# Altium PCB Brake Module B1 Sample.PcbDoc (part 2 of 2)
Units mm, origin at the board's own origin, x right, y up, seen from the top; angles counter-clockwise.
Board outline 87.88 x 86.36 mm, 4 copper layers (Top Layer, Int1 (GND), Int2 (PWR), Bottom Layer), stack 1.369 mm thick; 137 components, 101 nets, 510 pads, 360 vias.
Unrouted connection lines stored in the file: 15.
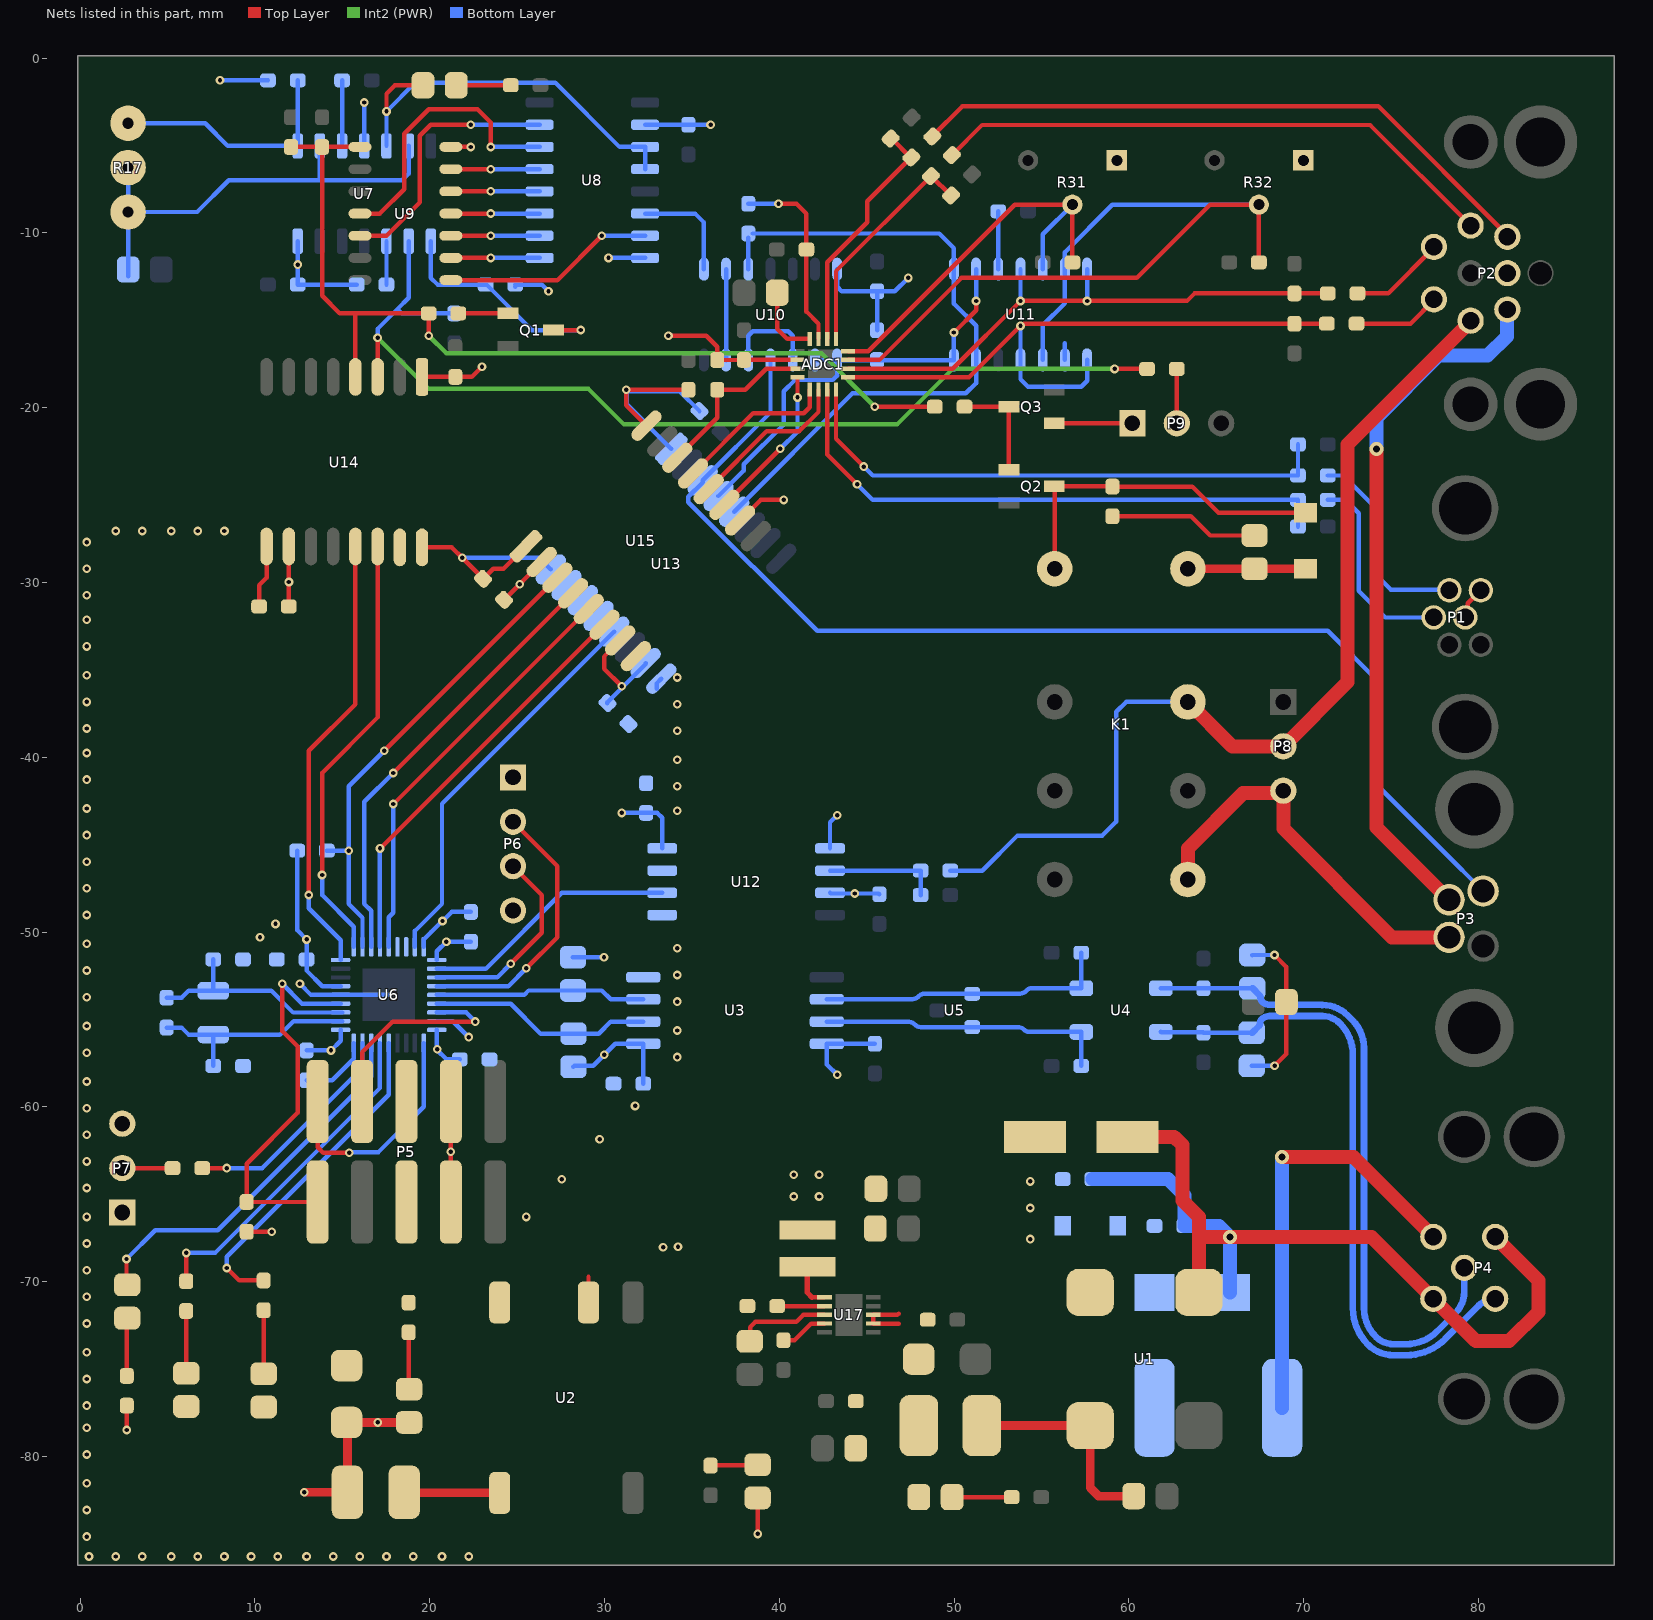
[diagram p4: the nets of this part, all layers, seen from the top]

## Via types
v1: diameter 0.5, hole 0.25, Top Layer to Bottom Layer, 357 vias
v2: diameter 0.8, hole 0.4, Top Layer to Bottom Layer, 3 vias

## Nets (pads, with @x,y where several pads share a name; then routed paths per layer and width w, separated by ;. In a path a pad name is that pad's centre, name@x,y a point inside that pad or via, vN(x,y) a via of type N, cw(c..) or ccw(c..) an arc to the next point about the centre after c; other vN are vias at no path point) (continued)
0V_(ISO): C14.1 C16.1 C22.1 C23.1 C24.1 C25.1 C26.1 C27.1 C47.1 C48.1 C50.1 C53.1 D7.K D8.K P5.5 P5.6 P6.1 P7.3 R3.1 U2.4 U3.4 U6.5 U6.18 U6.26 U6.36 U12.5 U12.7 U13.9 U13.15 U14.9 U14.15 U15.2 U15.8 | length 22.8
  Top Layer w0.254: C48.1@10.238,-31.369 10.238,-30.148 10.668,-29.718 U14.9@10.668,-27.94 ; C53.1@24.257,-30.988 24.257,-30.979 26.404,-28.832 U15.2@26.404,-28.823
  Bottom Layer w0.254: v1(12.573,-52.959) 13.208,-53.594 U6.5@14.903,-53.594 17.653,-53.594 ; C23.1@12.954,-58.469 14.429,-58.469 15.653,-57.245 U6.36@15.653,-56.344 ; U6.18@19.653,-50.844 19.653,-50.423 20.052,-50.024 ; 20.07,-50.006 20.711,-49.365 v1(20.733,-49.365) ; U6.26@20.403,-55.094 21.312,-55.094 v1(22.225,-56.007) ; v1@20.701,-49.403 21.258,-48.846 C22.1@22.352,-48.846 ; U13.9@32.977,-36.074 32.977,-35.775 U13.9@33.25,-35.503
  other v1: 0.508,-85.725 2.032,-85.725 3.556,-85.725 5.207,-85.725 6.731,-85.725 8.255,-85.725 9.779,-85.725 11.303,-85.725 12.954,-85.725 14.478,-85.725 16.002,-85.725 17.526,-85.725 19.05,-85.725 20.701,-85.725 22.225,-85.725 0.381,-84.582 0.381,-83.058 0.381,-81.534 0.381,-79.883 0.381,-78.359 0.381,-77.089 0.381,-75.565 0.381,-74.041 0.381,-72.39 0.381,-70.866 0.381,-69.342 0.381,-67.818 0.381,-66.294 25.527,-66.294 0.381,-64.643 27.559,-64.135 0.381,-63.119 29.718,-61.849 0.381,-61.595 0.381,-60.071 31.75,-59.944 0.381,-58.547 34.163,-57.15 0.381,-56.896 34.163,-55.626 0.381,-55.372 34.163,-53.975 0.381,-53.721 34.163,-52.451 0.381,-52.197 34.163,-50.927 0.381,-50.673 10.287,-50.292 11.176,-49.53 0.381,-49.022 0.381,-47.498 0.381,-45.974 0.381,-44.45 34.163,-43.053 0.381,-42.926 34.163,-41.656 0.381,-41.275 34.163,-40.132 0.381,-39.751 34.163,-38.481 0.381,-38.354 34.163,-36.957 0.381,-36.83 34.163,-35.433 0.381,-35.306 0.381,-33.655 0.381,-32.131 0.381,-30.734 25.15,-30.095 0.381,-29.21 0.381,-27.686 2.032,-27.051 3.556,-27.051 5.207,-27.051 6.731,-27.051 8.255,-27.051
3V3: C14.2 C16.2 C22.2 C23.2 C24.2 C25.2 C47.2 C48.2 C50.2 C53.2 D5.A L2.1 P5.7 P5.8 P6.4 P7.1 R6.2 R9.2 R10.2 R11.2 R38.2 U3.1 U6.1 U6.6 U6.19 U6.27 U12.8 U13.10 U13.16 U14.10 U14.16 U15.1 U15.7 | length 71.8
  Top Layer w0.254: v1(2.667,-78.486) R6.2@2.667,-77.089 ; R11.2@9.525,-67.14 v1(10.965,-67.14) ; C48.2@11.938,-31.369 U14.10@11.938,-27.939 ; C14.2@15.242,-78.051 C14.2@15.24,-78.053 C14.2@15.292,-78.105 ; U14.16@19.558,-27.99 21.259,-27.99 v1(21.856,-28.587) C53.2@23.055,-29.786 23.631,-29.21 24.221,-29.21 U15.1@25.506,-27.925 ; P5.7@21.209,-65.44 v1(21.209,-62.565) P5.8@21.209,-59.69 ; U15.7@30.895,-33.313 29.972,-34.235 29.972,-34.925 v1(30.988,-35.941)
  Top Layer w0.5: v1(12.827,-82.042) L2.1@15.292,-82.042 C14.2@15.292,-78.105 ; C14.2@15.242,-78.051 v1(17.032,-78.051) D5.A@18.822,-78.051
  Bottom Layer w0.254: R38.2@12.417,-45.339 12.417,-49.882 v1(12.954,-50.419) 12.954,-52.197 13.851,-53.094 U6.6@14.903,-53.094 ; C23.2@12.954,-56.769 v1(14.351,-56.769) 14.903,-56.217 U6.1@14.903,-55.594 ; U6.27@20.403,-55.594 20.403,-56.725 20.955,-57.277 C25.2@21.717,-57.277 ; U6.19@20.403,-51.594 20.403,-51.098 v1(20.955,-50.546) C22.2@22.352,-50.546 ; v1(21.856,-28.587) 26.263,-28.587 U13.16@26.928,-29.252 ; R9.2@28.191,-51.438 R9.2@28.194,-51.44 v1(29.967,-51.44) ; R10.2@28.22,-57.707 28.283,-57.644 29.351,-57.644 v1(29.979,-57.016) 30.607,-56.388 U3.1@32.215,-56.388 C16.2@32.215,-58.674 ; C50.2@30.167,-36.898 30.167,-36.844 32.352,-34.658 U13.10@32.352,-34.604 ; v1(30.988,-43.18) C47.2@32.385,-43.18 33.02,-43.18 33.3,-43.46 U12.8@33.3,-45.212
  other v1: 20.427,-56.701 11.942,-29.968
5kW: P3.3 U10.4 U14.3 | length 68.3
  Bottom Layer w0.254: U10.4@39.497,-17.272 39.497,-20.275 35.621,-24.151 35.621,-24.275 34.798,-25.098 34.798,-25.4 42.164,-32.766 71.374,-32.766 74.295,-35.687 74.295,-41.681 77.954,-45.34 P3.3@80.264,-47.65
5V: ADC1.7 ADC1.10 C10.2 C12.2 C13.2 C15.2 C28.2 C36.2 C37.2 C40.2 C41.2 C42.2 C46.2 C49.2 C51.2 C52.2 D4.A D10.A D11.K K1.16 L3.1 P1.1 P1.2 P2.5 R15.2 R18.2 R19.2 R27.2 R28.2 R29.2 R31.1 R32.1 U2.2 U3.8 U7.4 U7.14 U8.10 U8.16 U9.7 U10.14 U11.3 U12.1 U12.3 U13.1 U14.1 U15.10 U15.16 U17.4 | length 97
  Top Layer w0.254: U14.1@19.558,-18.237 C49.2@21.463,-18.237 22.403,-18.237 v1(22.987,-17.653) ; U9.7@21.209,-5.08 v1(22.352,-5.08) ; U2.2@29.083,-71.181 29.083,-69.723 ; U15.16@32.403,-21.028 31.242,-19.866 v1(31.242,-18.972) C52.2@34.798,-18.972 ; v1(33.655,-15.875) 35.814,-15.875 36.449,-16.51 R27.2@36.449,-17.272 36.453,-17.268 37.974,-17.268 C36.2@37.978,-17.264 ADC1.10@41.042,-17.264 ; U15.10@37.755,-26.452 38.934,-25.273 v1(40.259,-25.273) ; v1(38.761,-84.429) D4.A@38.761,-82.369 ; v1(39.956,-8.333) 40.983,-8.333 41.55,-8.9 C37.2@41.55,-10.95 41.55,-14.5 42.242,-15.192 ADC1.7@42.242,-16.064 ; C10.2@40.237,-73.351 40.24,-73.348 40.869,-73.348 41.82,-72.397 42.578,-72.397 U17.4@42.58,-72.395 ; P1.1@79.237,-32 79.387,-31.85 79.387,-31.19 P1.2@80.137,-30.44
  Top Layer w0.5: K1.16@63.373,-29.21 D10.A@67.183,-29.21 D11.K@70.104,-29.21
  Bottom Layer w0.254: v1(8.001,-1.27) R15.2@10.746,-1.27 ; U7.14@12.446,-10.472 v1(12.446,-11.811) C28.2@12.446,-12.954 R18.2@15.826,-12.954 ; U7.4@16.256,-5.022 v1(16.256,-2.54) ; R19.2@24.882,-13.081 R19.2@24.892,-13.081 ; R19.2@24.892,-12.954 26.416,-12.954 v1(26.797,-13.335) ; v1(30.226,-11.43) U8.16@32.319,-11.43 ; U8.10@32.319,-3.81 C40.2@34.798,-3.81 v1(36.068,-3.81) ; U13.1@33.825,-22.355 31.278,-19.808 31.278,-19.086 31.242,-19.05 34.29,-19.05 C51.2@35.433,-20.193 ; R29.2@38.227,-8.333 v1(39.956,-8.333) ; U12.3@42.9,-47.752 42.939,-47.791 v1(44.31,-47.791) 45.681,-47.791 C46.2@45.72,-47.83 ; U12.1@42.9,-45.212 42.9,-43.714 v1(43.307,-43.307) ; v1(43.307,-58.166) 42.715,-57.574 U3.8@42.715,-56.388 C15.2@45.466,-56.388 ; U10.14@43.307,-12.072 43.307,-13.081 43.561,-13.335 C42.2@45.593,-13.335 ; R28.2@45.593,-15.572 C42.2@45.593,-13.335 ; v1(47.371,-12.573) 46.609,-13.335 C42.2@45.593,-13.335 ; U11.3@52.529,-12.065 C41.2@52.529,-8.763
  other v1: 33.35,-68.025 34.2,-68 40.825,-65.125 42.275,-65.125 40.825,-63.875 42.275,-63.875
"APPS 1": P1.3 R25.1 | length 11.9
  Bottom Layer w0.254: R25.1@71.374,-23.876 72.263,-23.876 74.168,-25.781 74.168,-29.591 74.992,-30.415 78.312,-30.415 P1.3@78.337,-30.44
"APPS 2": P1.4 R26.1 | length 11.5
  Bottom Layer w0.254: R26.1@71.374,-25.273 72.39,-25.273 73.152,-26.035 73.152,-30.48 74.672,-32 P1.4@77.437,-32
APPS_1: ADC1.16 C35.2 R25.2 | length 31.9
  Top Layer w0.254: ADC1.16@43.242,-18.964 43.242,-21.779 v1(44.831,-23.368)
  Bottom Layer w0.254: v1(44.831,-23.368) 45.339,-23.876 R25.2@69.674,-23.876 C35.2@69.674,-22.098
APPS_2: ADC1.15 C38.2 R26.2 | length 33.2
  Top Layer w0.254: ADC1.15@42.742,-18.964 42.742,-22.676 v1(44.45,-24.384)
  Bottom Layer w0.254: v1(44.45,-24.384) 45.339,-25.273 R26.2@69.674,-25.273 C38.2@69.674,-26.797
BOOT0: P7.2 R12.1 | length 2.9
  Top Layer w0.254: P7.2@2.413,-63.5 R12.1@5.285,-63.5
BOTS: K1.13 P2.7 P8.2 R36.2 | length 56.5
  Top Layer w0.8: K1.13@63.373,-36.83 65.913,-39.37 P8.2@68.834,-39.37 72.517,-35.687 72.517,-22.095 P2.7@79.566,-15.046
  Bottom Layer w0.254: R36.2@49.784,-46.482 51.618,-46.482 53.625,-44.475 58.475,-44.475 59.275,-43.675 59.275,-37.4 59.845,-36.83 K1.13@63.373,-36.83
BPPS_1: P2.3 R16.1 | length 32.8
  Top Layer w0.254: R16.1@49.877,-5.548 51.6,-3.825 73.795,-3.825 P2.3@79.55,-9.58
BPPS_1_F: ADC1.5 C30.2 R16.2 | length 13.2
  Top Layer w0.254: ADC1.5@43.242,-16.064 43.242,-12.183 R16.2@48.675,-6.75 48.698,-6.75 49.8,-7.852 C30.2@49.823,-7.852
BPPS_2: P2.4 R22.1 | length 36.8
  Top Layer w0.254: R22.1@48.752,-4.473 50.475,-2.75 74.275,-2.75 81.65,-10.125 P2.4@81.65,-10.22
BPPS_2_F: ADC1.6 C34.2 R22.2 | length 14
  Top Layer w0.254: ADC1.6@42.742,-16.064 42.742,-11.683 45.034,-9.391 45.034,-8.191 R22.2@47.55,-5.675 47.498,-5.675 46.425,-4.602 C34.2@46.373,-4.602
"BPSD LATCH": R21.2 R35.1 U7.9 U13.3 | length 59.2
  Top Layer w0.254: 17.018,-18.237 v1(17.018,-16.002) ; v1(59.182,-17.78) R35.1@61.038,-17.78
  Int2 (PWR) w0.254: v1(17.018,-16.002) 19.939,-18.923 29.083,-18.923 31.115,-20.955 46.736,-20.955 49.911,-17.78 v1(59.182,-17.78)
  Bottom Layer w0.254: v1(17.018,-16.002) 17.018,-15.494 18.161,-14.351 ; U7.9@18.796,-10.472 18.796,-13.716 18.161,-14.351 ; R21.2@21.414,-14.605 18.415,-14.605 18.161,-14.351
"BRAKE SIG 1": P2.2 R14.1 | length 5.5
  Top Layer w0.254: R14.1@73.074,-13.462 74.838,-13.462 P2.2@77.475,-10.825
"BRAKE SIG 2": P2.1 R20.1 | length 5
  Top Layer w0.254: R20.1@73.025,-15.191 76.109,-15.191 P2.1@77.475,-13.825
"Brake Signal 1": ADC1.2 C29.2 R14.2 U11.4 U11.7 | length 32.9
  Top Layer w0.254: ADC1.2@43.942,-17.764 49.927,-17.764 v1(53.799,-13.892) v1(57.609,-13.892) 63.324,-13.892 63.754,-13.462 C29.2@69.469,-13.462 R14.2@71.374,-13.462
  Bottom Layer w0.254: v1(53.799,-13.892) U11.4@53.799,-12.065 ; v1(57.609,-13.892) U11.7@57.609,-12.065
"Brake Signal 2": ADC1.1 C33.2 R20.2 U11.8 U11.11 | length 37
  Top Layer w0.254: ADC1.1@43.942,-18.264 50.853,-18.264 v1(53.799,-15.318) 53.866,-15.318 53.993,-15.191 C33.2@69.469,-15.191 R20.2@71.325,-15.191
  Bottom Layer w0.254: v1(53.799,-15.318) U11.11@53.799,-17.265 53.799,-18.366 54.229,-18.796 57.277,-18.796 57.609,-18.464 U11.8@57.609,-17.265
"BSPD OK": C43.2 R24.1 R30.2 R34.1 U9.8 U13.4 | length 54.6
  Top Layer w0.254: C43.2@11.938,-5.08 C43.2@12.065,-5.08 R30.2@13.843,-5.08 ; 15.748,-18.237 15.748,-14.605 ; U9.8@16.009,-5.08 R30.2@13.843,-5.08 ; v1(19.939,-15.875) R24.1@19.939,-14.605 15.748,-14.605 ; v1(45.466,-19.939) R34.1@48.895,-19.939 ; R30.2@13.843,-5.08 13.843,-13.589 14.859,-14.605 15.748,-14.605
  Int2 (PWR) w0.254: v1(19.939,-15.875) 20.955,-16.891 42.418,-16.891 v1(45.466,-19.939)
CAN1_N: C17.2 P4.5 R5.1 U4.2 | length 38.3
  Bottom Layer w0.254: U4.2@61.827,-53.213 C17.2@64.262,-53.213 R5.1@67.056,-53.213
  Bottom Layer w0.381: R5.1@67.056,-53.213 cw(c67.056,-53.279) 67.103,-53.232 67.451,-53.581 cw(c67.255,-53.777) 67.533,-53.777 ccw(c67.81,-53.777) 67.614,-53.974 ccw(c68.077,-53.51) 68.077,-54.165 71.058,-54.165 cw(c71.058,-56.237) 72.522,-54.772 72.796,-55.046 cw(c71.22,-56.622) 73.449,-56.622 73.449,-71.517 ccw(c75.758,-71.517) 74.125,-73.15 ccw(c75.151,-72.124) 75.151,-73.575 75.848,-73.575 ccw(c75.848,-71.035) 77.644,-72.831 78.675,-71.8 ccw(c77.444,-70.569) 79.185,-70.569 P4.5@79.185,-69.208 ccw(c79.269,-69.292) P4.5@79.15,-69.292
CAN1_P: C18.2 P4.4 R4.2 U4.1 | length 38.7
  Bottom Layer w0.254: U4.1@61.827,-55.713 61.847,-55.733 64.242,-55.733 C18.2@64.262,-55.753 R4.2@67.03,-55.753
  Bottom Layer w0.381: R4.2@67.03,-55.753 ccw(c67.03,-55.687) 67.076,-55.734 67.425,-55.385 ccw(c67.229,-55.189) 67.506,-55.189 cw(c67.784,-55.189) 67.588,-54.992 cw(c68.051,-55.456) 68.051,-54.8 71.054,-54.8 cw(c71.054,-56.246) 72.076,-55.224 cw(c70.295,-57.005) 72.814,-57.005 72.814,-71.519 ccw(c75.753,-71.519) 73.675,-73.598 73.678,-73.601 ccw(c75.148,-72.131) 75.148,-74.21 75.85,-74.21 ccw(c75.85,-71.04) 78.092,-73.281 79.999,-71.374 cw(c80.955,-72.33) P4.4@80.955,-70.978 ccw(c80.955,-71.508) P4.4@80.58,-71.133
CAN_RX_INDC: R8.2 U6.33 | length 19.2
  Top Layer w0.254: R8.2@6.07,-69.977 v1(6.07,-68.352)
  Bottom Layer w0.254: v1(6.07,-68.352) 7.721,-68.352 17.153,-58.92 U6.33@17.153,-56.344
CAN_TX_INDC: R7.2 U6.32 | length 19.1
  Top Layer w0.254: v1(8.382,-69.215) 9.095,-69.928 R7.2@10.502,-69.928
  Bottom Layer w0.254: v1(8.382,-69.215) 8.382,-68.58 17.653,-59.309 U6.32@17.653,-56.344
CLOCK: D9.A U7.5 U8.11 U8.12 | length 23.5
  Top Layer w0.254: v1(17.526,-3.048) 17.526,-2.032 18.008,-1.55 D9.A@19.612,-1.55
  Bottom Layer w0.254: U7.5@17.526,-5.022 v1(17.526,-3.048) 19.177,-1.397 27.178,-1.397 30.861,-5.08 U8.11@32.319,-5.08 U8.12@32.319,-6.35
"CS (ADC)": ADC1.11 R27.1 U15.14 | length 9.9
  Top Layer w0.254: U15.14@34.163,-22.86 36.449,-20.574 R27.1@36.449,-18.972 38.051,-18.972 39.259,-17.764 ADC1.11@41.042,-17.764
GL_IN: P2.6 P3.1 | length 40.2
  Top Layer w0.8: v2(74.168,-22.352) 74.168,-44.004 P3.1@78.314,-48.15
  Bottom Layer w0.254: P2.6@81.618,-14.454 P2.6@81.666,-14.406
  Bottom Layer w0.8: v2(74.168,-22.352) 74.168,-20.574 77.724,-17.018 80.518,-17.018 81.618,-15.918 P2.6@81.618,-14.454
GL_IN_OK: U6.20 U12.6 | length 14.7
  Bottom Layer w0.254: U6.20@20.403,-52.094 23.217,-52.094 27.559,-47.752 U12.6@33.3,-47.752
GL_OUT: K1.9 P3.2 P8.3 | length 22.8
  Top Layer w0.8: K1.9@63.373,-46.99 63.373,-45.212 66.541,-42.044 68.7,-42.044 P8.3@68.834,-41.91 68.834,-44.069 75.065,-50.3 P3.2@78.314,-50.3
GLV+: F1.1 P4.2 | length 24.8
  Top Layer w0.8: v2(68.768,-62.872) 72.849,-62.872 P4.2@77.415,-67.438
  Bottom Layer w0.8: F1.1@68.768,-77.216 v2@68.768,-62.938
GLV-: C4.1 C5.1 C6.1 D3.K P4.1 P4.3 U1.4 | length 53.4
  Top Layer w0.8: C6.1@59.927,-61.722 62.593,-61.722 63.062,-62.191 63.062,-65.348 64.005,-66.291 U1.4@64.005,-70.612 ; 64.107,-67.437 v2(65.786,-67.437) 73.874,-67.437 P4.1@77.415,-70.978 79.843,-73.406 81.759,-73.406 83.439,-71.726 83.439,-69.922 P4.3@80.955,-67.438
  Bottom Layer w0.8: C5.1@57.91,-64.135 62.23,-64.135 63.168,-65.073 C4.1@63.168,-66.802 65.151,-66.802 v2(65.786,-67.437) 65.792,-67.443 D3.K@65.792,-70.612
"H REF 1": ADC1.4 C44.2 R31.2 U11.5 U11.9 | length 24.9
  Top Layer w0.254: ADC1.4@43.942,-16.764 45.085,-16.764 53.467,-8.382 R31.2@56.769,-8.382 C44.2@56.769,-11.684
  Bottom Layer w0.254: U11.5@55.069,-12.065 55.069,-10.082 R31.2@56.769,-8.382 ; U11.9@56.339,-17.265 56.339,-16.305
HB: D6.K U6.34 | length 21.8
  Top Layer w0.254: v1(2.652,-68.7) 2.652,-70.141 D6.K@2.693,-70.182
  Bottom Layer w0.254: v1(2.652,-68.7) 4.296,-67.056 7.874,-67.056 16.653,-58.277 U6.34@16.653,-56.344
"L REF": ADC1.3 C45.2 R32.2 U11.6 U11.10 | length 49.4
  Top Layer w0.254: ADC1.3@43.942,-17.264 45.728,-17.264 50.419,-12.573 60.452,-12.573 64.643,-8.382 R32.2@67.437,-8.382 C45.2@67.437,-11.684
  Bottom Layer w0.254: U11.10@55.069,-17.265 55.069,-15.289 56.339,-14.019 56.339,-11.098 59.055,-8.382 R32.2@67.437,-8.382
NetADC1_8: ADC1.8 C39.2 | length 4.2
  Top Layer w0.254: C39.2@39.878,-13.423 39.878,-15.494 40.448,-16.064 ADC1.8@41.742,-16.064
NetADC1_12: ADC1.12 U15.11 | length 9
  Top Layer w0.254: U15.11@36.857,-25.554 v1(40.059,-22.352) ; v1(41.042,-19.41) ADC1.12@41.042,-18.264
  Bottom Layer w0.254: v1(40.059,-22.352) 41.042,-21.369 v1(41.042,-19.41)
NetADC1_13: ADC1.13 U15.13 | length 9.3
  Top Layer w0.254: U15.13@35.061,-23.758 38.499,-20.32 41.402,-20.32 41.742,-19.98 ADC1.13@41.742,-18.964
NetADC1_14: ADC1.14 U15.12 | length 9.4
  Top Layer w0.254: U15.12@35.959,-24.656 39.279,-21.336 41.148,-21.336 42.242,-20.242 ADC1.14@42.242,-18.964
NetC1_2: C1.2 L1.2 U1.2 | length 12.4
  Top Layer w0.5: L1.2@51.584,-78.232 U1.2@57.785,-78.232 57.785,-81.788 58.267,-82.27 C1.2@60.276,-82.27
NetC4_2: C4.2 D1.A D3.A F1.2
NetC9_2: C9.2 U17.3 | length 5.4
  Top Layer w0.254: C9.2@38.309,-73.412 38.325,-73.396 38.325,-72.6 38.625,-72.3 40.975,-72.3 41.38,-71.895 U17.3@42.58,-71.895
NetC11_1: C11.1 L3.2 U17.1 | length 2.6
  Top Layer w0.254: 41.87,-70.895 U17.1@42.58,-70.895
  Top Layer w0.3: L3.2@41.6,-69.15 41.6,-70.625 41.87,-70.895
NetC11_2: C11.2 U17.2 | length 2.7
  Top Layer w0.254: C11.2@39.875,-71.395 U17.2@42.58,-71.395
NetC19_2: C19.2 U3.6 U4.3 U5.1 | length 16.8
  Bottom Layer w0.254: U3.6@42.715,-53.848 47.522,-53.848 ccw(c47.522,-53.172) 48,-53.65 cw(c48.282,-53.932) 48.282,-53.533 U5.1@51.038,-53.533 53.684,-53.533 ccw(c53.684,-52.85) 54.167,-53.333 54.2,-53.3 cw(c54.41,-53.51) 54.41,-53.213 U4.3@57.277,-53.213 C19.2@57.277,-51.181
NetC20_2: C20.2 U3.7 U4.4 U5.2 | length 16.7
  Bottom Layer w0.254: U3.7@42.715,-55.118 47.336,-55.118 cw(c47.336,-55.739) 47.775,-55.3 ccw(c48.096,-54.979) 48.096,-55.433 U5.2@51.038,-55.433 53.657,-55.433 cw(c53.657,-55.918) 54,-55.575 ccw(c54.333,-55.242) 54.333,-55.713 U4.4@57.277,-55.713 C20.2@57.277,-57.658
NetC21_2: C21.2 R4.1 R5.2 | length 9.5
  Top Layer w0.254: v1(68.326,-51.308) 69.01,-51.992 C21.2@69.01,-54.001 69.01,-56.974 v1(68.335,-57.649)
  Bottom Layer w0.254: R4.1@67.03,-57.653 v1@68.331,-57.653 ; R5.2@67.056,-51.313 67.059,-51.311 68.323,-51.311 v1(68.326,-51.308)
NetC26_2: C26.2 R13.1 U6.2 X1.1 | length 12.3
  Bottom Layer w0.254: R13.1@4.953,-55.46 5.803,-55.46 6.203,-55.86 X1.1@7.62,-55.86 ; C26.2@7.62,-57.658 X1.1@7.62,-55.86 ; U6.2@14.999,-55.098 12.212,-55.098 11.43,-55.88 7.64,-55.88 X1.1@7.62,-55.86
NetC27_2: C27.2 R13.2 U6.3 X1.2 | length 12.5
  Bottom Layer w0.254: R13.2@4.953,-53.76 5.803,-53.76 6.203,-53.36 X1.2@7.62,-53.36 ; C27.2@7.62,-51.562 X1.2@7.62,-53.36 ; U6.3@14.999,-54.598 12.18,-54.598 10.942,-53.36 X1.2@7.62,-53.36
NetC32_2: C32.2 U7.3 | length 3.8
  Bottom Layer w0.254: U7.3@14.986,-5.022 C32.2@14.986,-1.27
NetD2_K: D2.K R1.2 | length 3.4
  Top Layer w0.254: D2.K@49.884,-82.322 R1.2@53.291,-82.322
NetD4_K: D4.K R2.2 | length 2.6
  Top Layer w0.254: R2.2@36.092,-80.494 D4.K@38.737,-80.494
NetD5_K: D5.K R3.2 | length 3.3
  Top Layer w0.254: R3.2@18.796,-72.898 18.796,-76.125 D5.K@18.822,-76.151
NetD6_A: D6.A R6.1 | length 3.3
  Top Layer w0.254: R6.1@2.667,-75.389 D6.A@2.667,-72.108
NetD7_A: D7.A R7.1 | length 3.6
  Top Layer w0.254: D7.A@10.502,-75.266 R7.1@10.502,-71.628
NetD8_A: D8.A R8.1 | length 3.6
  Top Layer w0.254: D8.A@6.07,-75.238 R8.1@6.07,-71.677
NetD9_K: D9.K R23.2 | length 3.1
  Top Layer w0.254: D9.K@21.512,-1.55 R23.2@24.638,-1.55
NetD10_K: D10.K R33.2 | length 8.6
  Top Layer w0.254: R33.2@59.055,-26.211 63.549,-26.211 64.648,-27.31 D10.K@67.183,-27.31
NetD11_A: D11.A K1.1 Q2.D R33.1 | length 19.7
  Top Layer w0.254: Q2.D@55.729,-24.492 Q2.D@55.739,-24.501 ; K1.1@55.753,-29.21 55.753,-24.516 Q2.D@55.739,-24.501 ; D11.A@70.104,-26.01 65.126,-26.01 63.627,-24.511 R33.1@59.055,-24.511 59.045,-24.501 Q2.D@55.739,-24.501
NetL2_2: L2.2 U2.5 | length 5.5
  Top Layer w0.254: L2.2@18.542,-82.042 L2.2@18.581,-82.081
  Top Layer w0.5: L2.2@18.581,-82.081 U2.5@24.003,-82.081
NetP9_1: P9.1 Q3.G | length 4.5
  Top Layer w0.254: Q3.G@55.729,-20.889 P9.1@60.198,-20.889
NetP9_2: P9.2 R35.2 | length 3.1
  Top Layer w0.254: P9.2@62.738,-20.889 R35.2@62.738,-17.78
NetQ1_D: Q1.D R19.1 U7.8 | length 13.5
  Top Layer w0.254: Q1.D@27.081,-15.555 v1(28.641,-15.555)
  Bottom Layer w0.254: U7.8@20.066,-10.472 20.066,-12.573 20.447,-12.954 R19.1@23.192,-12.954 23.242,-12.954 25.843,-15.555 v1(28.641,-15.555)
NetQ1_G: Q1.G R24.2 | length 2.8
  Top Layer w0.254: R24.2@21.639,-14.605 Q1.G@24.481,-14.605
NetQ2_G: Q2.G Q3.D R34.2 | length 6.1
  Top Layer w0.254: R34.2@50.595,-19.939 Q3.D@53.129,-19.939 Q2.G@53.129,-23.542
NetR9_1: R9.1 U3.3 U6.23 | length 12.1
  Bottom Layer w0.254: U6.23@20.403,-53.594 25.4,-53.594 25.654,-53.34 29.845,-53.34 30.353,-53.848 U3.3@32.215,-53.848
NetR10_1: R10.1 U3.2 U6.24 | length 12.8
  Bottom Layer w0.254: U6.24@20.403,-54.094 24.63,-54.094 26.343,-55.807 R10.1@28.22,-55.807 29.664,-55.807 30.353,-55.118 U3.2@32.215,-55.118
NetR12_2: R12.2 U6.35 | length 13
  Top Layer w0.254: R12.2@6.985,-63.5 v1(8.382,-63.5)
  Bottom Layer w0.254: v1(8.382,-63.5) 10.414,-63.5 16.153,-57.761 U6.35@16.153,-56.344
NetR15_1: R15.1 R17.1 U7.1 | length 14
  Bottom Layer w0.254: R17.1@2.743,-3.724 7.153,-3.724 8.451,-5.022 U7.1@12.446,-5.022 R15.1@12.446,-1.27
NetR18_1: R18.1 U7.10 | length 2.5
  Bottom Layer w0.254: R18.1@17.526,-12.954 U7.10@17.526,-10.472
NetR28_1: R28.1 U10.1 U10.2 U11.2 U11.14 U14.4 | length 25.5
  Top Layer w0.254: v1(49.989,-15.699) 51.259,-14.429 v1(51.259,-13.892)
  Bottom Layer w0.254: 36.519,-25.049 37.973,-23.595 37.973,-23.241 40.259,-20.955 40.259,-19.05 40.894,-18.415 43.053,-18.415 43.307,-18.161 U10.1@43.307,-17.272 ; U10.2@42.037,-17.272 U10.1@43.307,-17.272 ; v1(49.989,-15.699) U11.14@49.989,-17.265 49.982,-17.272 R28.1@45.593,-17.272 U10.1@43.307,-17.272 ; v1(51.259,-13.892) U11.2@51.259,-12.065
NetR29_1: R29.1 U10.10 U11.1 U11.13 U13.5 | length 38.8
  Bottom Layer w0.254: U13.5@37.417,-25.947 44.187,-19.177 50.673,-19.177 51.259,-18.591 U11.13@51.259,-17.265 51.259,-15.318 49.989,-14.048 U11.1@49.989,-12.065 49.989,-10.873 49.149,-10.033 R29.1@38.481,-10.033 ; U10.10@38.227,-12.072 R29.1@38.227,-10.287
NetR36_1: R36.1 R37.1 U12.2 | length 6.6
  Bottom Layer w0.254: U12.2@42.9,-46.482 R36.1@48.084,-46.482 R37.1@48.084,-47.879
NetR38_1: R38.1 U6.11 U15.3 | length 27.6
  Top Layer w0.254: v1(17.399,-39.624) U15.3@27.302,-29.721
  Bottom Layer w0.254: R38.1@14.117,-45.339 v1(15.367,-45.339) ; U6.11@16.153,-50.844 16.153,-49.173 15.367,-48.387 v1(15.367,-45.339) ; v1(17.399,-39.624) 15.367,-41.656 v1(15.367,-45.339)
NetU6_9: U6.9 U13.13 | length 25.5
  Top Layer w0.254: v1(13.081,-47.879) 13.081,-39.624 15.748,-36.957 15.748,-27.939
  Bottom Layer w0.254: v1(13.081,-47.879) 13.081,-48.641 14.903,-50.463 U6.9@14.903,-51.594
NetU6_10: U6.10 U13.14 | length 25
  Top Layer w0.254: v1(13.843,-46.736) 13.843,-40.894 17.018,-37.719 17.018,-27.939
  Bottom Layer w0.254: v1(13.843,-46.736) 13.843,-47.879 15.653,-49.689 U6.10@15.653,-50.844
NetU6_12: U6.12 U15.4 | length 25.3
  Top Layer w0.254: v1(17.907,-40.894) 17.916,-40.894 28.191,-30.619 U15.4@28.2,-30.619
  Bottom Layer w0.254: U6.12@16.653,-50.844 16.653,-48.784 16.256,-48.387 16.256,-42.545 v1(17.907,-40.894)
NetU6_13: U6.13 U15.6 | length 23.8
  Top Layer w0.254: v1(17.153,-45.212) 17.176,-45.212 29.973,-32.415 U15.6@29.997,-32.415
  Bottom Layer w0.254: U6.13@17.153,-50.844 v1(17.153,-45.212)
NetU6_14: U6.14 U15.5 | length 24.1
  Top Layer w0.254: v1(17.907,-42.672) 17.925,-42.672 29.08,-31.517 U15.5@29.098,-31.517
  Bottom Layer w0.254: U6.14@17.653,-50.844 17.653,-49.149 17.907,-48.895 v1(17.907,-42.672)
NetU6_15: U6.15 U14.14
NetU6_16: U6.16 U14.13
NetU6_17: U6.17 U13.12 | length 22.8
  Bottom Layer w0.254: U6.17@19.153,-50.844 U6.17@19.153,-50.844 19.155,-49.933 20.701,-48.387 20.701,-42.663 U13.12@30.556,-32.808
NetU8_1: U8.1 U9.2 | length 5.1
  Top Layer w0.254: U9.2@21.209,-11.43 v1(23.495,-11.43)
  Bottom Layer w0.254: v1(23.495,-11.43) U8.1@26.289,-11.43
NetU8_2: U8.2 U9.3 | length 5.1
  Top Layer w0.254: U9.3@21.209,-10.16 v1(23.495,-10.16)
  Bottom Layer w0.254: v1(23.495,-10.16) U8.2@26.289,-10.16
NetU8_3: U8.3 U9.4 | length 5.1
  Top Layer w0.254: U9.4@21.209,-8.89 v1(23.495,-8.89)
  Bottom Layer w0.254: v1(23.495,-8.89) U8.3@26.289,-8.89
NetU8_4: U8.4 U9.5 | length 5.1
  Top Layer w0.254: U9.5@21.209,-7.62 v1(23.495,-7.62)
  Bottom Layer w0.254: v1(23.495,-7.62) U8.4@26.289,-7.62
NetU8_5: U8.5 U9.6 | length 5.1
  Top Layer w0.254: U9.6@21.209,-6.35 v1(23.495,-6.35)
  Bottom Layer w0.254: v1(23.495,-6.35) U8.5@26.289,-6.35
NetU8_6: U8.6 U9.11 | length 16.3
  Top Layer w0.254: U9.11@16.009,-8.89 17.145,-8.89 18.542,-7.493 18.542,-4.318 19.939,-2.921 22.733,-2.921 23.495,-3.683 v1(23.495,-5.08)
  Bottom Layer w0.254: v1(23.495,-5.08) U8.6@26.289,-5.08
NetU8_7: U8.7 U9.12 | length 15.1
  Top Layer w0.254: U9.12@16.009,-10.16 17.526,-10.16 19.431,-8.255 19.431,-4.445 20.066,-3.81 v1(22.352,-3.81)
  Bottom Layer w0.254: v1(22.352,-3.81) U8.7@26.289,-3.81
NetU8_14: U8.14 U10.8 | length 6.3
  Bottom Layer w0.254: U8.14@32.319,-8.89 35.179,-8.89 35.687,-9.398 U10.8@35.687,-12.072
NetU8_15: U8.15 U9.1 | length 12.2
  Top Layer w0.254: U9.1@21.209,-12.7 27.305,-12.7 v1(29.845,-10.16)
  Bottom Layer w0.254: v1(29.845,-10.16) U8.15@32.319,-10.16
NetU10_3: U10.3 U10.5 | length 5.5
  Bottom Layer w0.254: U10.5@38.227,-17.272 38.227,-15.875 38.481,-15.621 40.513,-15.621 40.767,-15.875 U10.3@40.767,-17.272
NetU10_6: U10.6 U10.9 | length 5.2
  Bottom Layer w0.254: U10.6@36.957,-17.272 U10.9@36.957,-12.072
NRST: P5.1 R11.1 U6.4 | length 21.9
  Top Layer w0.254: v1(11.557,-52.959) 11.557,-55.659 12.446,-56.548 12.446,-60.325 9.525,-63.246 R11.1@9.525,-65.44 P5.1@13.589,-65.44
  Bottom Layer w0.254: v1(11.557,-52.959) 12.692,-54.094 U6.4@14.903,-54.094
SWCLK: P5.2 U6.28 | length 13.6
  Top Layer w0.254: P5.2@13.589,-59.69 13.589,-62.314 13.9,-62.625 v1(15.4,-62.625)
  Bottom Layer w0.254: v1(15.4,-62.625) 15.443,-62.582 17.068,-62.582 19.653,-59.997 U6.28@19.653,-56.344
SWDIO: P5.4 U6.25 | length 12.4
  Top Layer w0.254: P5.4@16.129,-59.69 16.129,-56.871 17.882,-55.118 v1(22.606,-55.118)
  Bottom Layer w0.254: U6.25@20.403,-54.594 22.082,-54.594 v1(22.606,-55.118)
Trig/Thres: C31.2 R17.2 R17.3 U7.2 U7.6 | length 26.7
  Bottom Layer w0.254: R17.2@2.743,-6.264 R17.3@2.743,-8.804 ; C31.2@2.745,-12.472 2.744,-12.471 R17.3@2.743,-8.804 R17.3@2.743,-8.804 ; U7.2@13.716,-5.022 13.716,-6.985 ; U7.6@18.796,-5.022 18.796,-6.604 18.415,-6.985 13.716,-6.985 ; R17.3@2.743,-8.804 6.69,-8.804 8.509,-6.985 13.716,-6.985
UART_RX: P6.2 U6.22 | length 15.7
  Top Layer w0.254: P6.2@24.765,-43.688 27.305,-46.228 27.305,-50.292 v1(25.527,-52.07)
  Bottom Layer w0.254: U6.22@20.403,-53.094 24.503,-53.094 v1(25.527,-52.07)
UART_TX: P6.3 U6.21 | length 11.6
  Top Layer w0.254: v1(24.638,-51.816) 26.416,-50.038 26.416,-47.879 P6.3@24.765,-46.228
  Bottom Layer w0.254: U6.21@20.403,-52.594 23.86,-52.594 v1(24.638,-51.816)
VBAT_D: C5.2 C6.2 D1.K U1.1
  other v1: 54.356,-67.564 54.356,-65.786 54.356,-64.262
VBAT_F: C2.2 C3.2 C7.2 C8.2 D2.A L1.1 U17.7 U17.8 | length 3.4
  Top Layer w0.254: 46.825,-72.4 46.82,-72.395 U17.7@45.37,-72.395 U17.8@45.37,-71.895 46.755,-71.895 46.825,-71.825
pads on no net: ADC1.17 K1.4 K1.6 K1.8 K1.11 P1.7 P1.8 P2.MH1 P2.MH2 P2.MH3 P2.MH4 P2.MH5 P3.4 P3.MH1 P3.MH2 P4.15 P5.3 P5.9 P5.10 P8.1 P9.3 U2.8 U6.7 U6.8 U6.29 U6.30 U6.31 U6.37 U7.11 U7.13 U8.9 U9.9 U9.10 U9.13 U10.11 U10.12 U10.13 U13.6 U13.7 U13.11 U14.5 U14.6 U14.7 U14.11 U14.12 U17.6
copper on no net: | length 52.5
  Top Layer w0.254: 18.288,-27.99 18.288,-29.845 v1@18.796,-30.353
  Top Layer w0.5: 79.566,-12.326 81.666,-12.326
  Bottom Layer w0.254: 18.153,-50.844 18.153,-49.411 19.177,-48.387 19.177,-40.595 28.76,-31.012 ; 18.653,-50.844 18.653,-49.673 20.066,-48.26 20.066,-41.502 29.558,-32.01 29.558,-31.91 29.658,-31.91
  other v1: 18.8,-30.349

## Polygon pours and split planes (outlines as drawn)
0V on Top Layer "0V TOP" (solid, pour order 18): 30.607,-86.106 30.607,-81.28 28.321,-78.994 28.321,-69.85 41.402,-56.769 41.402,-33.528 27.432,-19.558 0,-19.558 0,0 73.787,0 87.63,0 87.63,-26.289 87.63,-57.531 87.63,-86.106 73.914,-86.106
5V on Top Layer "5V_TOP_1" (solid, pour order 8): 46.125,-67.85 39.775,-67.85 39.775,-63.75 40.525,-63 46.125,-63
VBAT_F on Top Layer "5V_TOP_1" (solid, pour order 13): 44.925,-70.375 44.925,-75.471 43.815,-76.581 43.815,-81.28 45.72,-83.185 48.387,-83.185 48.641,-82.931 48.641,-80.264 49.149,-79.756 49.149,-70.375
0V_(ISO) on Top Layer "5V_TOP_1" (solid, pour order 17): 24.892,-86.106 24.892,-67.691 34.671,-57.912 34.671,-34.925 26.289,-26.543 0,-26.543 0,-86.106
5V on Top Layer "5V_TOP_1" (solid, pour order 9): 28.65,-70.925 28.65,-69.675 31.125,-67.2 35,-67.2 35,-68.775 31.025,-68.775 29.65,-70.15 29.65,-72.15
VBAT_D on Top Layer "5V_TOP_1" (solid, pour order 15): 52.197,-63.119 53.594,-64.516 53.594,-67.818 55.753,-69.977 55.753,-71.628 56.261,-72.136 59.055,-72.136 59.309,-71.882 59.309,-68.58 58.928,-68.199 56.642,-68.199 55.118,-66.675 55.118,-63.373 55.118,-59.69 52.197,-59.69
0V on Bottom Layer "0V BOT" (solid, pour order 12): 30.607,-86.106 30.607,-81.28 28.321,-78.994 28.321,-69.85 41.402,-56.769 41.402,-33.528 27.432,-19.558 0,-19.558 0,0 73.787,0 87.63,0 87.63,-26.289 87.63,-57.531 87.63,-86.106 73.914,-86.106
0V_(ISO) on Bottom Layer "0V ISO BOT" (solid, pour order 5): 24.892,-86.106 24.892,-67.691 34.671,-57.912 34.671,-34.925 26.289,-26.543 0,-26.543 0,-86.106
VBAT_D on Bottom Layer "5V_TOP_1" (solid, pour order 3): 56.769,-63.5 56.261,-62.992 53.848,-62.992 53.34,-63.5 53.34,-68.072 53.848,-68.58 56.134,-68.58 56.769,-67.945
NetC4_2 on Bottom Layer "5V_TOP_1" (solid, pour order 11): 60.579,-80.137 62.357,-80.137 62.611,-79.883 62.611,-68.58 61.976,-67.945 61.976,-66.167 61.722,-65.913 59.055,-65.913 58.801,-66.167 58.801,-67.564 60.071,-68.834 60.071,-79.629 60.325,-79.883
0V on Int2 (PWR) "0V GND" (solid, pour order 6): 30.607,-86.106 30.607,-81.28 28.321,-78.994 28.321,-69.85 41.402,-56.769 41.402,-33.528 27.432,-19.558 0,-19.558 0,0 73.787,0 87.63,0 87.63,-26.289 87.63,-57.531 87.63,-86.106 73.914,-86.106
0V_(ISO) on Int2 (PWR) "0V ISO" (solid, pour order 1): 24.892,-86.106 24.892,-67.691 34.671,-57.912 34.671,-34.925 26.289,-26.543 0,-26.543 0,-86.106
5V on Int1 (GND) "5V" (solid, pour order 7): 31.369,-84.709 31.369,-80.01 29.718,-78.359 29.718,-70.739 43.053,-57.404 43.053,-32.893 28.194,-18.034 1.524,-18.034 1.524,-1.397 73.787,-1.397 86.233,-1.397 86.233,-84.709
3V3 on Int1 (GND) "3V3 PLANE" (solid, pour order 2): 24.892,-86.106 24.892,-67.691 34.671,-57.912 34.671,-34.925 26.289,-26.543 0,-26.543 0,-86.106

## Other copper
Bottom Layer:
  pour cut-out: 10.541,-49.784 4.699,-49.784 3.302,-51.181 3.302,-56.896 5.461,-59.055 11.43,-59.055 11.43,-59.436 5.334,-59.436 2.921,-57.023 2.921,-50.927 4.445,-49.403 10.541,-49.403
  pour cut-out: 11.43,-59.055 11.43,-56.613 10.951,-56.613 10.922,-56.642 10.922,-59.055

## Silkscreen, mask and mechanical layers (free items; w line width, h text height)
Top Overlay:
  drawing of 32 lines, arcs and shapes, not listed
  text "Low Ref" at 64.389,-2.032 h1
  text "High Ref 1" at 52.578,-2.08 h1
  text "BPPS" at 74.168,-11.049 h1.52 r90
  text "Latch Toggle" at 59.759,-23.474 h1
  text "BSPD" at 67.056,-34.417 h1
  text "APPS" at 74.168,-34.417 h1.52 r90
  text "24/02/2024 - L.D" at 6.985,-35.052 h1.02 r90
  text "Brake Module B2 Sample" at 5.996,-37.977 h1.02 r90
  text "Formula SAE" at 5.107,-39.151 h1.78 r90
  text "Team Swinburne" at 3.71,-50.327 h3.05 r90
  text "GREEN LOOP" at 74.168,-56.515 h1.52 r90
  text "UNIVERSAL" at 74.168,-75.692 h1.52 r90
Bottom Overlay:
  lines w0.254: 0,-26.543 26.289,-26.543 34.671,-34.925 34.671,-57.912 24.892,-67.691 24.892,-86.106 ; 0,-19.558 27.432,-19.558 41.402,-33.528 41.402,-56.769 28.321,-69.85 28.321,-78.994 30.607,-81.28 30.607,-86.106
Mechanical 1:
  lines w0.254: -0.127,-86.233 74.041,-86.233 87.757,-86.233 87.757,-81.407 87.757,-71.723 87.757,-67.088 87.757,-57.404 87.757,-30.099 87.757,0.127 73.914,0.127 72.771,0.127 -0.127,0.127 -0.127,-86.233

## Text inside footprints (layer, text, board x,y; h text height)
C6: Top Overlay "+" at 62.873,-65.222 h1.52 r180